# Altium PCB amaya.PcbDoc (part 2 of 2)
Units mm, origin at the board's own origin, x right, y up, seen from the top; angles counter-clockwise.
Board outline 275 x 150 mm, 2 copper layers (Top Layer, Bottom Layer), stack 1.214 mm thick; 156 components, 0 nets, 312 pads, 0 vias.
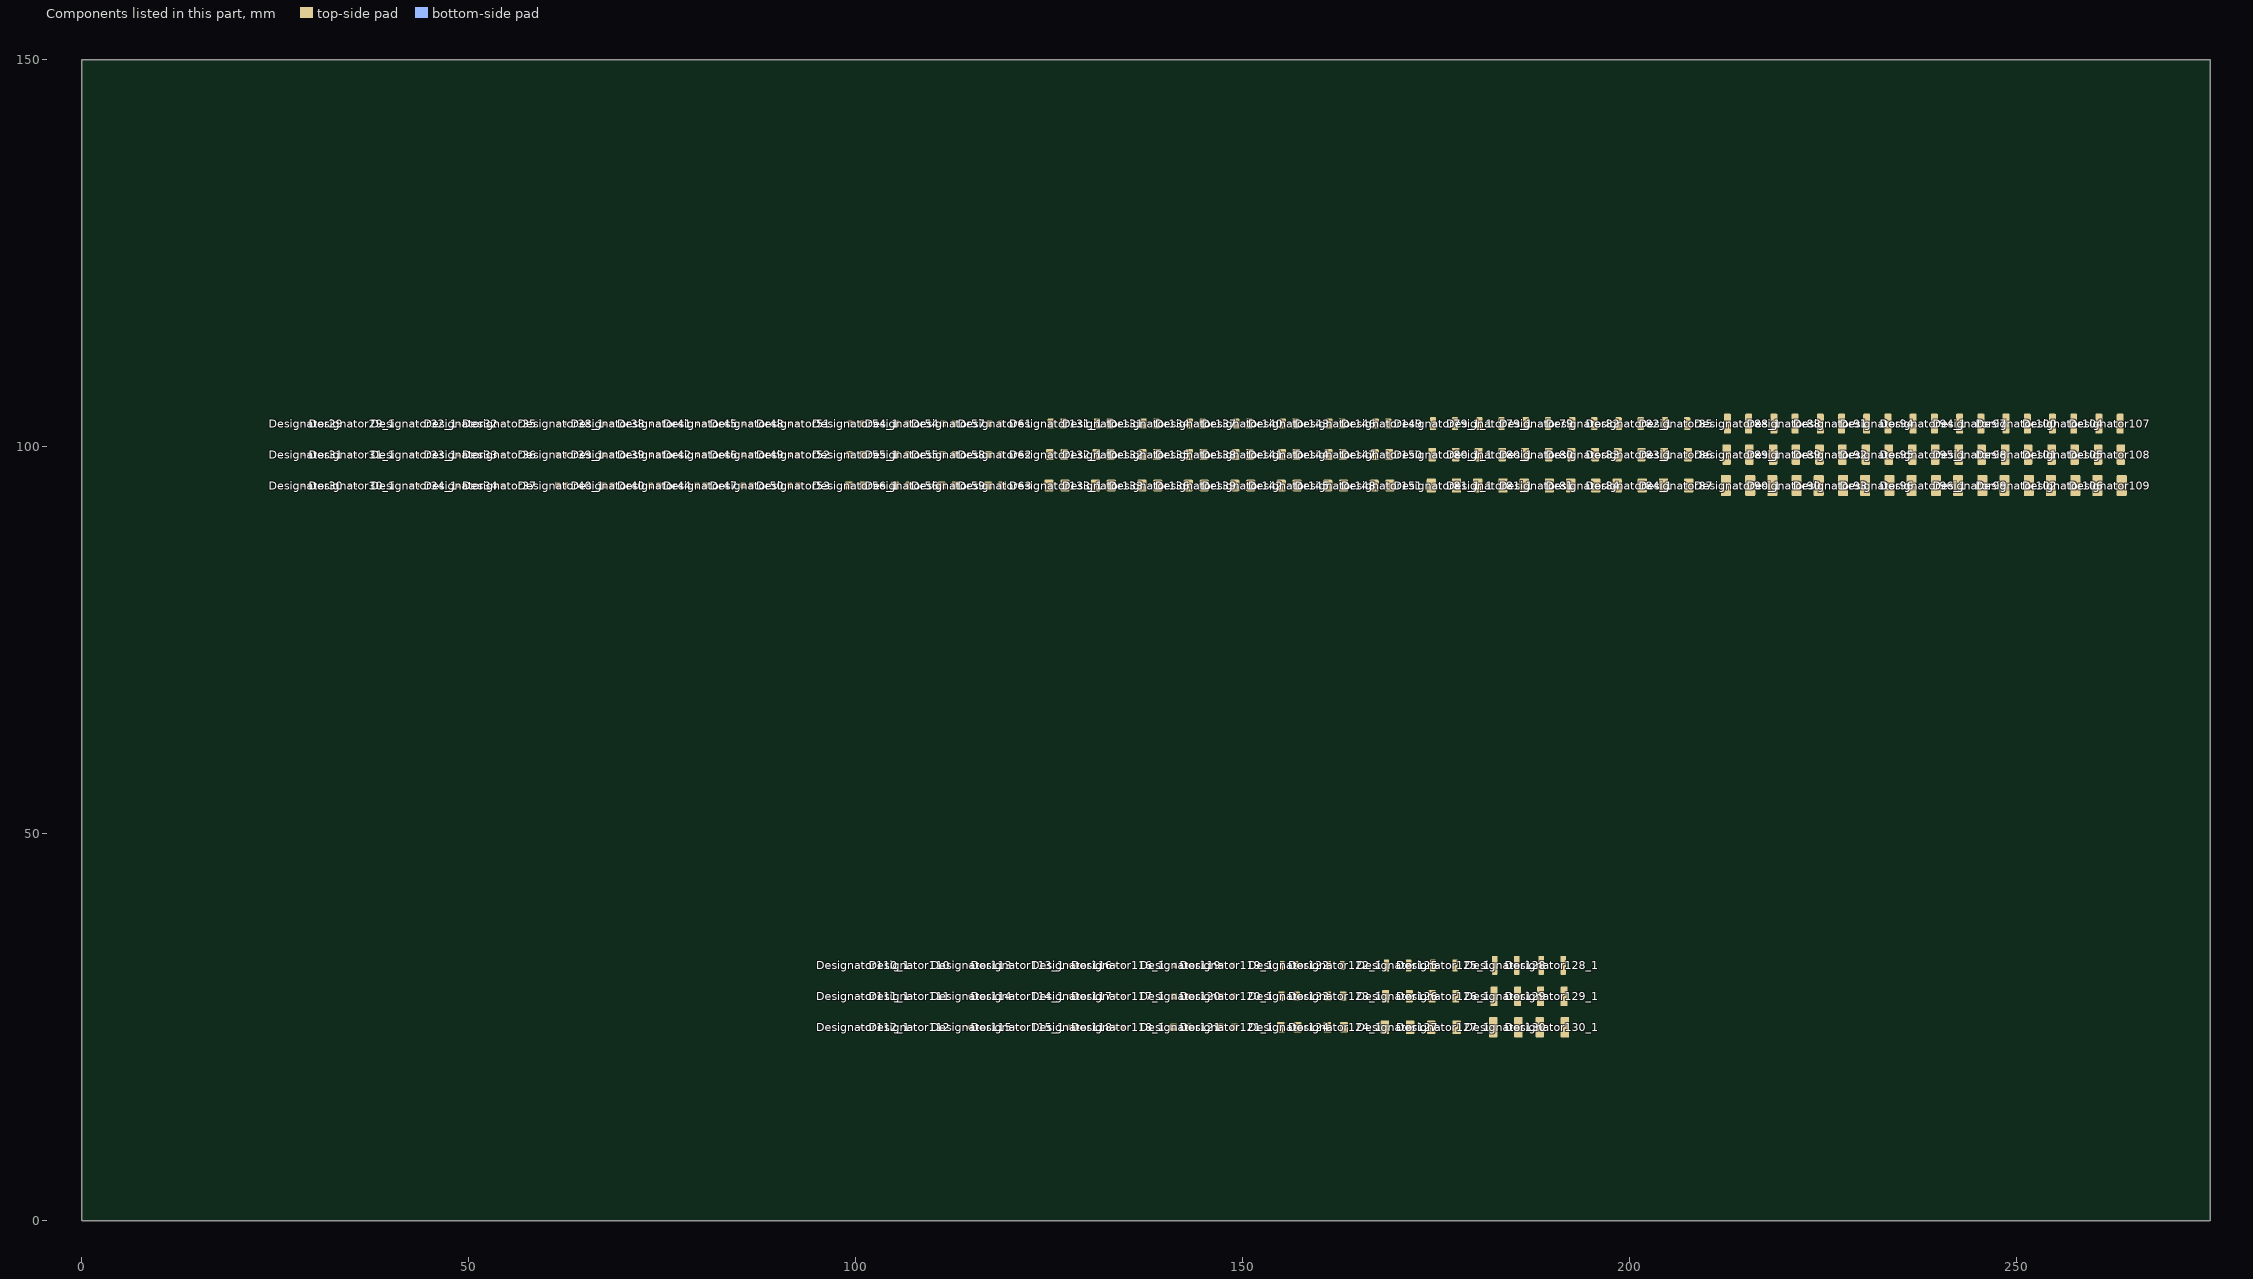
[diagram p2: the components of this part, seen from the top]

## Nets (pads, with @x,y where several pads share a name; then routed paths per layer and width w, separated by ;. In a path a pad name is that pad's centre, name@x,y a point inside that pad or via, vN(x,y) a via of type N, cw(c..) or ccw(c..) an arc to the next point about the centre after c; other vN are vias at no path point)
pads on no net: Designator29.1 Designator29.2 Designator29_1.1 Designator29_1.2 Designator30.1 Designator30.2 Designator30_1.1 Designator30_1.2 Designator31.1 Designator31.2 Designator31_1.1 Designator31_1.2 Designator32.1 Designator32.2 Designator32_1.1 Designator32_1.2 Designator33.1 Designator33.2 Designator33_1.1 Designator33_1.2 Designator34.1 Designator34.2 Designator34_1.1 Designator34_1.2 Designator35.1 Designator35.2 Designator36.1 Designator36.2 Designator37.1 Designator37.2 Designator38.1 Designator38.2 Designator38_1.1 Designator38_1.2 Designator39.1 Designator39.2 Designator39_1.1 Designator39_1.2 Designator40.1 Designator40.2 Designator40_1.1 Designator40_1.2 Designator41.1 Designator41.2 Designator42.1 Designator42.2 Designator44.1 Designator44.2 Designator45.1 Designator45.2 Designator46.1 Designator46.2 Designator47.1 Designator47.2 Designator48.1 Designator48.2 Designator49.1 Designator49.2 Designator50.1 Designator50.2 Designator51.1 Designator51.2 Designator52.1 Designator52.2 Designator53.1 Designator53.2 Designator54.1 Designator54.2 Designator54_1.1 Designator54_1.2 Designator55.1 Designator55.2 Designator55_1.1 Designator55_1.2 Designator56.1 Designator56.2 Designator56_1.1 Designator56_1.2 Designator57.1 Designator57.2 Designator58.1 Designator58.2 Designator59.1 Designator59.2 Designator61.1 Designator61.2 Designator62.1 Designator62.2 Designator63.1 Designator63.2 Designator79.1 Designator79.2 Designator79_1.1 Designator79_1.2 Designator79_1_1.1 Designator79_1_1.2 Designator80.1 Designator80.2 Designator80_1.1 Designator80_1.2 Designator80_1_1.1 Designator80_1_1.2 Designator81.1 Designator81.2 Designator81_1.1 Designator81_1.2 Designator81_1_1.1 Designator81_1_1.2 Designator82.1 Designator82.2 Designator82_1.1 Designator82_1.2 Designator83.1 Designator83.2 Designator83_1.1 Designator83_1.2 Designator84.1 Designator84.2 Designator84_1.1 Designator84_1.2 Designator85.1 Designator85.2 Designator86.1 Designator86.2 Designator87.1 Designator87.2 Designator88.1 Designator88.2 Designator88_1.1 Designator88_1.2 Designator89.1 Designator89.2 Designator89_1.1 Designator89_1.2 Designator90.1 Designator90.2 Designator90_1.1 Designator90_1.2 Designator91.1 Designator91.2 Designator92.1 Designator92.2 Designator93.1 Designator93.2 Designator94.1 Designator94.2 Designator94_1.1 Designator94_1.2 Designator95.1 Designator95.2 Designator95_1.1 Designator95_1.2 Designator96.1 Designator96.2 Designator96_1.1 Designator96_1.2 Designator97.1 Designator97.2 Designator98.1 Designator98.2 Designator99.1 Designator99.2 Designator100.1 Designator100.2 Designator101.1 Designator101.2 Designator102.1 Designator102.2 Designator104.1 Designator104.2 Designator105.1 Designator105.2 Designator106.1 Designator106.2 Designator107.1 Designator107.2 Designator108.1 Designator108.2 Designator109.1 Designator109.2 Designator110.1 Designator110.2 Designator110_1.1 Designator110_1.2 Designator111.1 Designator111.2 Designator111_1.1 Designator111_1.2 Designator112.1 Designator112.2 Designator112_1.1 Designator112_1.2 Designator113.1 Designator113.2 Designator113_1.1 Designator113_1.2 Designator114.1 Designator114.2 Designator114_1.1 Designator114_1.2 Designator115.1 Designator115.2 Designator115_1.1 Designator115_1.2 Designator116.1 Designator116.2 Designator116_1.1 Designator116_1.2 Designator117.1 Designator117.2 Designator117_1.1 Designator117_1.2 Designator118.1 Designator118.2 Designator118_1.1 Designator118_1.2 Designator119.1 Designator119.2 Designator119_1.1 Designator119_1.2 Designator120.1 Designator120.2 Designator120_1.1 Designator120_1.2 Designator121.1 Designator121.2 Designator121_1.1 Designator121_1.2 Designator122.1 Designator122.2 Designator122_1.1 Designator122_1.2 Designator123.1 Designator123.2 Designator123_1.1 Designator123_1.2 Designator124.1 Designator124.2 Designator124_1.1 Designator124_1.2 Designator125.1 Designator125.2 Designator125_1.1 Designator125_1.2 Designator126.1 Designator126.2 Designator126_1.1 Designator126_1.2 Designator127.1 Designator127.2 Designator127_1.1 Designator127_1.2 Designator128.1 Designator128.2 Designator128_1.1 Designator128_1.2 Designator129.1 Designator129.2 Designator129_1.1 Designator129_1.2 Designator130.1 Designator130.2 Designator130_1.1 Designator130_1.2 Designator131.1 Designator131.2 Designator131_1.1 Designator131_1.2 Designator132.1 Designator132.2 Designator132_1.1 Designator132_1.2 Designator133.1 Designator133.2 Designator133_1.1 Designator133_1.2 Designator134.1 Designator134.2 Designator135.1 Designator135.2 Designator136.1 Designator136.2 Designator137.1 Designator137.2 Designator138.1 Designator138.2 Designator139.1 Designator139.2 Designator140.1 Designator140.2 Designator141.1 Designator141.2 Designator142.1 Designator142.2 Designator143.1 Designator143.2 Designator144.1 Designator144.2 Designator145.1 Designator145.2 Designator146.1 Designator146.2 Designator147.1 Designator147.2 Designator148.1 Designator148.2 Designator149.1 Designator149.2 Designator150.1 Designator150.2 Designator151.1 Designator151.2

## Keep-outs
Keep-Out Layer:
  the board outline again, w0.6

## Silkscreen, mask and mechanical layers (free items; w line width, h text height)
Top Overlay:
  lines w0.2: 20,87 268,87 ; 20,93 268,93 ; 20,97 268,97 ; 20,101 268,101 ; 20,105 268,105 ; 25,83 25,107 ; 29,114 35,114 ; 39,83 39,107 ; 46,114 52,114 ; 58,83 58,107 ; 74,114 80,114 ; 92,17 196,17 ; 92,23 196,23 ; 92,27 196,27 ; 92,31 196,31 ; 92,35 196,35 ; 96,83 96,107 ; 97,13 97,37 ; 101,44 107,44 ; 106,114 112,114 ; 111,13 111,37 ; 115,44 121,44 ; 122,83 122,107 ; 124,13 124,37 ; 128,44 134,44 ; 138,13 138,37 ; 142,44 148,44 ; 144,114 150,114 ; 152,13 152,37 ; 156,44 162,44 ; 166,13 166,37 ; 170,44 176,44 ; 172,83 172,107 ; 180,13 180,37 ; 184,44 190,44 ; 188,114 194,114 ; 194,13 194,37 ; 210,83 210,107 ; 235,114 241,114 ; 266,83 266,107
  text "FORMAT: CAPC [BODY SIZE] [HEIGHT CODE] [MATERIAL CONDITION]" at 36,137.266 h1.5
  text "SPECIFICATION:" at 36,135.016 h1.5
  text "SOLDER MASK EXPANSION: 0.05mm" at 46,133.016 h1.5
  text "ROUNDED PADS: 25%" at 40,131.035 h1.5
  text "COMPONENT TOLERANCE: ±0.0mm" at 46,129.016 h1.5
  text "FABRICATION TOLERANCE: per IPC" at 46,127.266 h1.5
  text "ASSEMBLY TOLERANCE: per IPC" at 39.999,125.266 h1.5
  text "SOLDER FILLETS: per IPC" at 40,123.266 h1.5
  text "STANDARD CHIP CAPACITOR FOOTPRINTS (METRIC)" at 109.556,122.564 h3
  text "TERMINAL BAND: FROM SAMSUNG DATASHEET" at 40,121.016 h1.5
  text "SAMSUNG ELECTRO-MECHANICS - MULTI-LAYER CHIP CAPACITORS (CL)" at 96.447,118.564 h3
  text "CAPC0402" at 28.716,115.016 h1.5
  text "CAPC0603" at 45.711,115.017 h1.5
  text "CAPC1005" at 73.707,115.016 h1.5
  text "CAPC1608" at 105.71,115.016 h1.5
  text "CAPC2012" at 143.716,115.016 h1.5
  text "CAPC3216" at 187.711,115.017 h1.5
  text "CAPC3225" at 234.707,115.017 h1.5
  text "JEDEC 0402" at 28.178,112.016 h1.5
  text "JEDEC 0603" at 45.173,112.017 h1.5
  text "JEDEC 1005" at 73.169,112.016 h1.5
  text "JEDEC 1608" at 105.172,112.016 h1.5
  text "JEDEC 2012" at 143.178,112.016 h1.5
  text "JEDEC 3216" at 187.173,112.017 h1.5
  text "JEDEC 3225" at 234.169,112.017 h1.5
  text "EIA 01005" at 28.95,110.016 h1.5
  text "EIA 0201" at 46.419,110.016 h1.5
  text "EIA 0402" at 74.331,110.016 h1.5
  text "EIA 0603" at 106.327,110.017 h1.5
  text "EIA 0805" at 144.323,110.016 h1.5
  text "EIA 1206" at 188.327,110.016 h1.5
  text "EIA 1210" at 235.328,110.016 h1.5
  text "(2.0mm x 1.25mm)" at 142.495,108.28 h1.5
  text "(0.4mm x 0.2mm)" at 27.816,108.278 h1.5
  text "(0.6mm x 0.3mm)" at 44.816,108.278 h1.5
  text "(1.0mm x 0.5mm)" at 72.816,108.278 h1.5
  text "(1.6mm x 0.8mm)" at 104.816,108.278 h1.5
  text "(3.2mm x 1.6mm)" at 186.816,108.278 h1.5
  text "(3.2mm x 2.5mm)" at 233.816,108.278 h1.5
  text "IPC LEVEL C (L, LEAST)" at 7.053,102.653 h1.5
  text "*" at 31,102.228 h1.5
  text "*" at 37,102.228 h1.5
  text "*" at 45,102.228 h1.5
  text "*" at 51,102.228 h1.5
  text "*" at 56,102.228 h1.5
  text "IPC LEVEL B (N, NOMINAL)" at 5.043,98.653 h1.5
  text "*" at 31,98.228 h1.5
  text "*" at 37,98.228 h1.5
  text "*" at 45,98.228 h1.5
  text "*" at 51,98.228 h1.5
  text "*" at 56,98.228 h1.5
  text "IPC LEVEL A (M, MOST)" at 7.13,94.653 h1.5
  text "*" at 31,94.228 h1.5
  text "*" at 37,94.228 h1.5
  text "*" at 45,94.228 h1.5
  text "*" at 51,94.228 h1.5
  text "*" at 56,94.228 h1.5
  text "X02" at 33.846,90.526 h1.5
  text "X03" at 47.841,90.527 h1.5
  text "X05" at 52.837,90.526 h1.5
  text "X02" at 66.846,90.526 h1.5
  text "X03" at 72.841,90.527 h1.5
  text "X05" at 78.837,90.526 h1.5
  text "X06" at 84.841,90.526 h1.5
  text "X07" at 90.841,90.526 h1.5
  text "X05" at 104.837,90.526 h1.5
  text "X07" at 110.841,90.526 h1.5
  text "X08" at 116.84,90.526 h1.5
  text "X065" at 130.464,90.526 h1.5
  text "X07" at 136.841,90.526 h1.5
  text "X08" at 142.84,90.526 h1.5
  text "X085" at 148.464,90.526 h1.5
  text "X09" at 154.84,90.526 h1.5
  text "X125" at 166.464,90.526 h1.5
  text "X085" at 180.464,90.526 h1.5
  text "X09" at 186.84,90.526 h1.5
  text "X115" at 192.464,90.526 h1.5
  text "X125" at 198.464,90.526 h1.5
  text "X16" at 204.841,90.526 h1.5
  text "X085" at 218.464,90.526 h1.5
  text "X125" at 224.464,90.526 h1.5
  text "X135" at 230.464,90.527 h1.5
  text "X16" at 242.841,90.526 h1.5
  text "X18" at 248.84,90.526 h1.5
  text "X20" at 254.843,90.526 h1.5
  text "X25" at 260.837,90.526 h1.5
  text "HEIGHT CODE" at 12.871,90.52 h1.5
  text "X11" at 160.934,90.518 h1.5
  text "X14" at 236.843,90.518 h1.5
  text "HEIGHT" at 17.071,88.52 h1.5
  text "\"DNP\"" at 27.171,88.52 h1.5
  text "0.2mm" at 33.022,88.526 h1.5
  text "\"DNP\"" at 41.171,88.52 h1.5
  text "0.3mm" at 47.022,88.527 h1.5
  text "0.5mm" at 52.022,88.526 h1.5
  text "\"DNP\"" at 60.171,88.52 h1.5
  text "0.2mm" at 66.022,88.526 h1.5
  text "0.3mm" at 72.022,88.527 h1.5
  text "0.5mm" at 78.022,88.526 h1.5
  text "0.6mm" at 84.022,88.526 h1.5
  text "0.7mm" at 90.022,88.526 h1.5
  text "0.5mm" at 104.022,88.526 h1.5
  text "0.7mm" at 110.022,88.526 h1.5
  text "0.8mm" at 116.022,88.526 h1.5
  text "\"DNP\"" at 124.171,88.52 h1.5
  text "0.65mm" at 129.65,88.526 h1.5
  text "0.7mm" at 136.022,88.526 h1.5
  text "0.8mm" at 142.022,88.526 h1.5
  text "0.85mm" at 147.65,88.526 h1.5
  text "0.9mm" at 154.022,88.526 h1.5
  text "0.11mm" at 159.65,88.526 h1.5
  text "0.125mm" at 165.277,88.526 h1.5
  text "\"DNP\"" at 174.171,88.52 h1.5
  text "0.85mm" at 179.65,88.526 h1.5
  text "0.9mm" at 186.022,88.526 h1.5
  text "1.15mm" at 191.695,88.526 h1.5
  text "1.25mm" at 197.695,88.526 h1.5
  text "1.6mm" at 204.067,88.526 h1.5
  text "\"DNP\"" at 212.171,88.52 h1.5
  text "0.85mm" at 217.65,88.526 h1.5
  text "1.25mm" at 223.695,88.526 h1.5
  text "1.35mm" at 229.695,88.527 h1.5
  text "1.4mm" at 236.067,88.518 h1.5
  text "1.6mm" at 242.067,88.526 h1.5
  text "1.8mm" at 248.067,88.526 h1.5
  text "2.0mm" at 254.014,88.526 h1.5
  text "2.5mm" at 260.014,88.526 h1.5
  text "\"DNP\"" at 98.201,88.512 h1.5
  text "0.1mm" at 27.399,84.533 h1.5
  text "0.1mm" at 33.399,84.533 h1.5
  text "0.15mm" at 41.097,84.533 h1.5
  text "0.15mm" at 47.097,84.533 h1.5
  text "0.15mm" at 52.097,84.533 h1.5
  text "0.25mm" at 60.097,84.533 h1.5
  text "0.25mm" at 66.097,84.533 h1.5
  text "0.25mm" at 72.097,84.533 h1.5
  text "0.25mm" at 78.097,84.533 h1.5
  text "0.25mm" at 84.097,84.533 h1.5
  text "0.25mm" at 90.097,84.533 h1.5
  text "0.3mm" at 104.399,84.533 h1.5
  text "0.3mm" at 110.399,84.533 h1.5
  text "0.3mm" at 116.399,84.533 h1.5
  text "0.5mm" at 124.399,84.533 h1.5
  text "0.5mm" at 130.399,84.533 h1.5
  text "0.5mm" at 136.399,84.533 h1.5
  text "0.5mm" at 142.399,84.533 h1.5
  text "0.5mm" at 148.399,84.533 h1.5
  text "0.5mm" at 154.399,84.533 h1.5
  text "0.5mm" at 160.399,84.533 h1.5
  text "0.5mm" at 166.399,84.533 h1.5
  text "0.5mm" at 174.399,84.533 h1.5
  text "0.5mm" at 180.399,84.533 h1.5
  text "0.5mm" at 186.399,84.533 h1.5
  text "0.5mm" at 192.399,84.533 h1.5
  text "0.5mm" at 198.399,84.533 h1.5
  text "0.5mm" at 204.399,84.533 h1.5
  text "0.6mm" at 212.399,84.533 h1.5
  text "0.6mm" at 218.399,84.533 h1.5
  text "0.6mm" at 224.399,84.533 h1.5
  text "0.6mm" at 230.399,84.533 h1.5
  text "0.6mm" at 236.399,84.533 h1.5
  text "0.6mm" at 242.399,84.533 h1.5
  text "0.6mm" at 248.399,84.533 h1.5
  text "0.6mm" at 254.399,84.533 h1.5
  text "0.6mm" at 260.399,84.533 h1.5
  text "BAND" at 18.446,84.52 h1.5
  text "0.3mm" at 98.428,84.524 h1.5
  text "* heal reduced to achieve >=0.1mm soldermask sliver" at 29,79.52 h1.5
  text "FORMAT: RESC [BODY SIZE] [HEIGHT CODE] [MATERIAL CONDITION]" at 36,67.266 h1.5
  text "SPECIFICATION:" at 36,65.016 h1.5
  text "SOLDER MASK EXPANSION: 0.05mm" at 40,63.016 h1.5
  text "ROUNDED PADS: 25%" at 40,61.035 h1.5
  text "COMPONENT TOLERANCE: ±0.0mm" at 40,59.016 h1.5
  text "FABRICATION TOLERANCE: per IPC" at 40,57.266 h1.5
  text "ASSEMBLY TOLERANCE: per IPC" at 39.999,55.266 h1.5
  text "SOLDER FILLETS: per IPC" at 40,53.266 h1.5
  text "STANDARD CHIP RESISTOR FOOTPRINTS (METRIC)" at 110.524,52.564 h3
  text "TERMINAL BAND: FROM PANASONIC DATASHEET" at 40,51.016 h1.5
  text "PANASONIC ELECTRONIC COMPONENTS - PRECISION THICK FILM CHIP RESISTORS (ERJ)" at 85.393,48.564 h3
  text "RESC0402" at 100.735,45.016 h1.5
  text "RESC0603" at 114.731,45.017 h1.5
  text "RESC1005" at 127.727,45.016 h1.5
  text "RESC1608" at 141.729,45.016 h1.5
  text "RESC2012" at 155.735,45.016 h1.5
  text "RESC3216" at 169.731,45.017 h1.5
  text "RESC3225" at 183.727,45.017 h1.5
  text "JEDEC 0402" at 100.178,42.016 h1.5
  text "JEDEC 0603" at 114.173,42.017 h1.5
  text "JEDEC 1005" at 127.169,42.016 h1.5
  text "JEDEC 1608" at 141.172,42.016 h1.5
  text "JEDEC 2012" at 155.178,42.016 h1.5
  text "JEDEC 3216" at 169.173,42.017 h1.5
  text "JEDEC 3225" at 183.169,42.017 h1.5
  text "EIA 01005" at 100.95,40.016 h1.5
  text "EIA 0201" at 115.419,40.016 h1.5
  text "EIA 0402" at 128.331,40.016 h1.5
  text "EIA 0603" at 142.327,40.017 h1.5
  text "EIA 0805" at 156.323,40.016 h1.5
  text "EIA 1206" at 170.327,40.016 h1.5
  text "EIA 1210" at 184.328,40.016 h1.5
  text "(0.4mm x 0.2mm)" at 99.816,38.278 h1.5
  text "(0.6mm x 0.3mm)" at 113.816,38.278 h1.5
  text "(1.0mm x 0.5mm)" at 126.816,38.278 h1.5
  text "(1.6mm x 0.8mm)" at 140.816,38.278 h1.5
  text "(2.0mm x 1.25mm)" at 154.495,38.28 h1.5
  text "(3.2mm x 1.6mm)" at 168.816,38.278 h1.5
  text "(3.2mm x 2.5mm)" at 182.816,38.278 h1.5
  text "IPC LEVEL C (L, LEAST)" at 79.053,32.653 h1.5
  text "*" at 103,32.228 h1.5
  text "*" at 109,32.228 h1.5
  text "IPC LEVEL B (N, NOMINAL)" at 77.043,28.653 h1.5
  text "*" at 103,28.228 h1.5
  text "*" at 109,28.228 h1.5
  text "IPC LEVEL A (M, MOST)" at 79.13,24.653 h1.5
  text "*" at 103,24.228 h1.5
  text "*" at 109,24.228 h1.5
  text "X013" at 105.468,20.527 h1.5
  text "X023" at 119.468,20.527 h1.5
  text "X035" at 132.464,20.527 h1.5
  text "X045" at 146.464,20.526 h1.5
  text "X06" at 160.841,20.526 h1.5
  text "X06" at 174.841,20.526 h1.5
  text "X06" at 188.841,20.526 h1.5
  text "HEIGHT CODE" at 84.871,20.52 h1.5
  text "HEIGHT" at 89.071,18.52 h1.5
  text "\"DNP\"" at 99.171,18.52 h1.5
  text "0.13mm" at 104.65,18.527 h1.5
  text "\"DNP\"" at 113.171,18.52 h1.5
  text "0.23mm" at 118.65,18.527 h1.5
  text "\"DNP\"" at 126.171,18.52 h1.5
  text "0.35mm" at 131.65,18.527 h1.5
  text "\"DNP\"" at 140.171,18.52 h1.5
  text "0.45mm" at 145.65,18.526 h1.5
  text "\"DNP\"" at 154.171,18.52 h1.5
  text "0.6mm" at 160.022,18.526 h1.5
  text "\"DNP\"" at 168.171,18.52 h1.5
  text "0.6mm" at 174.022,18.526 h1.5
  text "\"DNP\"" at 182.171,18.52 h1.5
  text "0.6mm" at 188.022,18.526 h1.5
  text "0.1mm" at 99.399,14.533 h1.5
  text "0.1mm" at 105.399,14.533 h1.5
  text "0.15mm" at 113.097,14.533 h1.5
  text "0.15mm" at 119.097,14.533 h1.5
  text "0.25mm" at 126.097,14.533 h1.5
  text "0.25mm" at 132.097,14.533 h1.5
  text "0.3mm" at 140.399,14.533 h1.5
  text "0.3mm" at 146.399,14.533 h1.5
  text "0.4mm" at 154.399,14.533 h1.5
  text "0.4mm" at 160.399,14.533 h1.5
  text "0.5mm" at 168.399,14.533 h1.5
  text "0.5mm" at 174.399,14.533 h1.5
  text "0.5mm" at 182.399,14.533 h1.5
  text "0.5mm" at 188.399,14.533 h1.5
  text "BAND" at 90.446,14.52 h1.5
  text "* heal reduced to achieve >=0.1mm soldermask sliver" at 101,9.52 h1.5
  text "JD BRINTON" at 259.103,7.016 h1.5
  text "MAY 28, 2023" at 258.666,5.19 h1.5
Mechanical 2:
  the board outline again, w0.127